# Altium PCB driver_V1.2.2.PcbDoc (part 2 of 2)
Units mm, origin at the board's own origin, x right, y up, seen from the top; angles counter-clockwise.
Board outline 57.1 x 171.3 mm, 2 copper layers (Top Layer, Bottom Layer), stack 1.58 mm thick; 272 components, 24 nets, 644 pads, 100 vias.
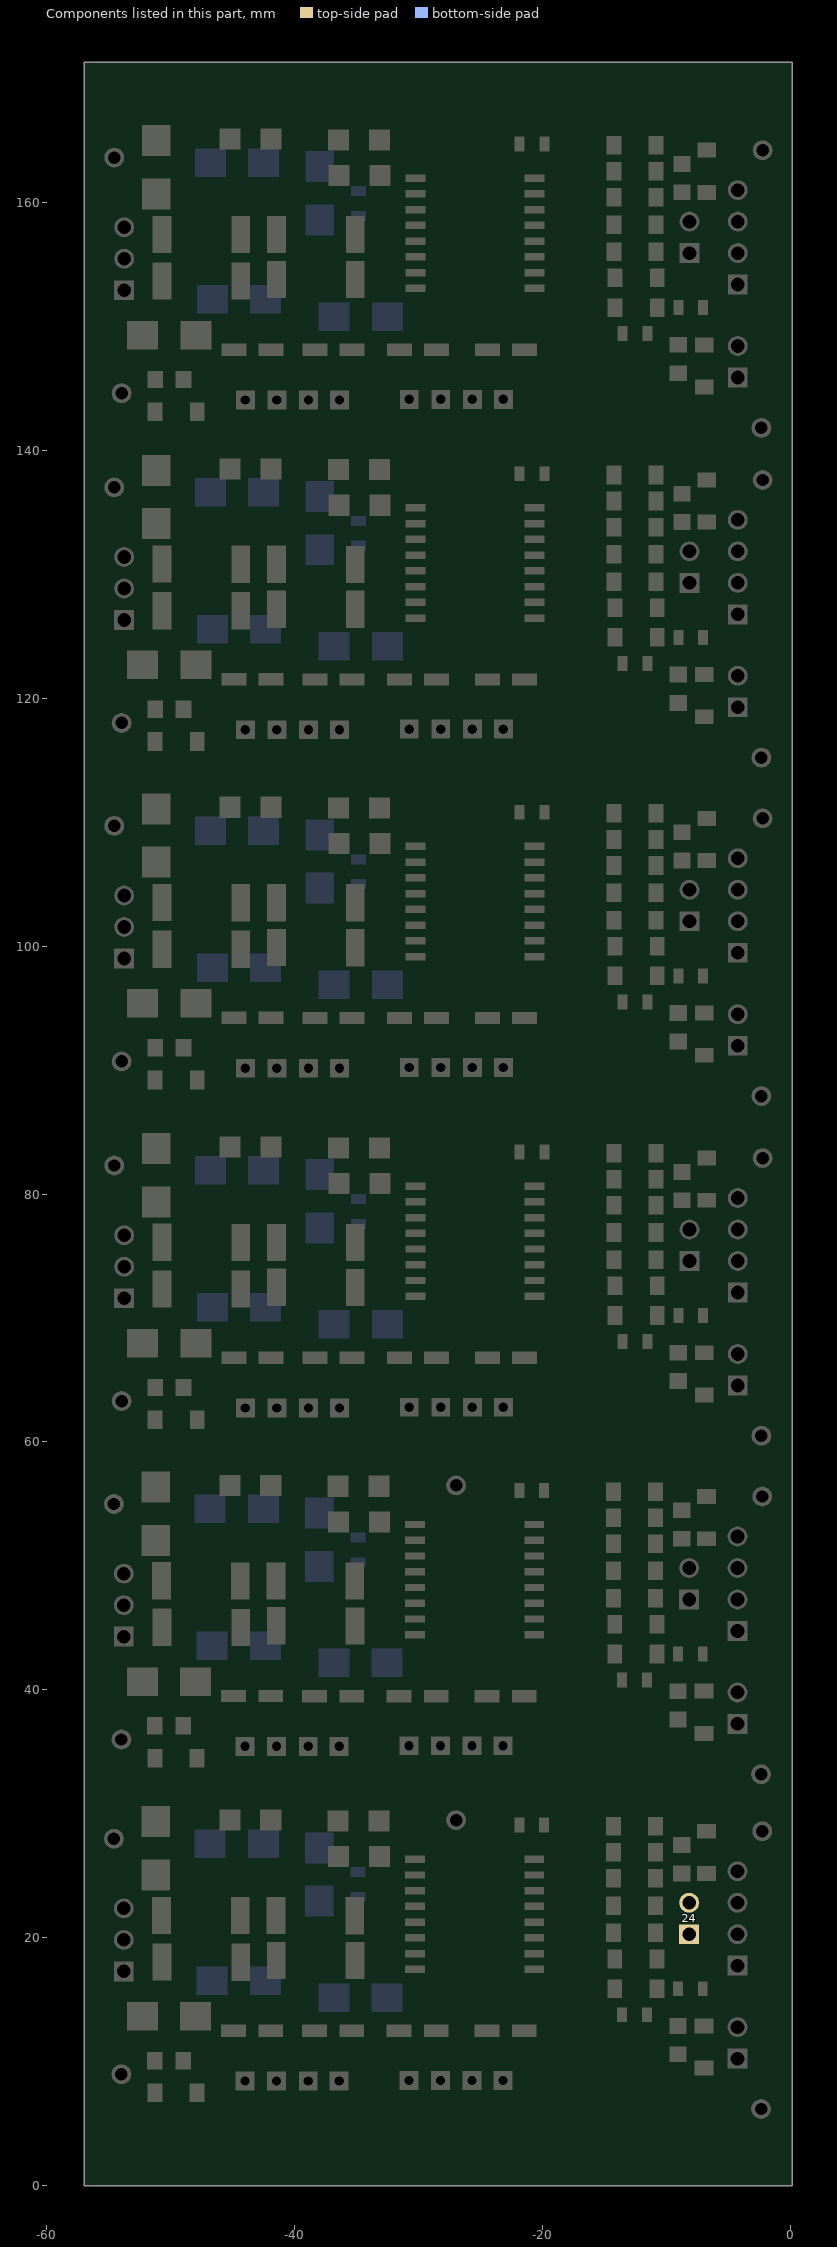
[diagram p2: the components of this part, seen from the top]

## Via types
v1: diameter 0.7, hole 0.4, Top Layer to Bottom Layer, 72 vias
v2: diameter 0.508, hole 0.254, Top Layer to Bottom Layer, 24 vias
v3: diameter 4, hole 3, Top Layer to Bottom Layer, 4 vias

## Nets (pads, with @x,y where several pads share a name; then routed paths per layer and width w, separated by ;. In a path a pad name is that pad's centre, name@x,y a point inside that pad or via, vN(x,y) a via of type N, cw(c..) or ccw(c..) an arc to the next point about the centre after c; other vN are vias at no path point) (continued)
pads on no net: 0R_1.1 0R_1.2 0R_2.1 0R_2.2 0R_2_1.1 0R_2_1.2 0R_2_2.1 0R_2_2.2 0R_2_3.1 0R_2_3.2 1ED020I12-F2_1.1 1ED020I12-F2_1.2 1ED020I12-F2_1.3 1ED020I12-F2_1.4 1ED020I12-F2_1.5 1ED020I12-F2_1.6 1ED020I12-F2_1.7 1ED020I12-F2_1.8 1ED020I12-F2_1.9 1ED020I12-F2_1.10 1ED020I12-F2_1.11 1ED020I12-F2_1.12 1ED020I12-F2_1.13 1ED020I12-F2_1.14 1ED020I12-F2_1.15 1ED020I12-F2_1.16 1ED020I12-F2_2.1 1ED020I12-F2_2.2 1ED020I12-F2_2.3 1ED020I12-F2_2.4 1ED020I12-F2_2.5 1ED020I12-F2_2.6 1ED020I12-F2_2.7 1ED020I12-F2_2.8 1ED020I12-F2_2.9 1ED020I12-F2_2.10 1ED020I12-F2_2.11 1ED020I12-F2_2.12 1ED020I12-F2_2.13 1ED020I12-F2_2.14 1ED020I12-F2_2.15 1ED020I12-F2_2.16 1ED020I12-F2_2_1.1 1ED020I12-F2_2_1.2 1ED020I12-F2_2_1.3 1ED020I12-F2_2_1.4 1ED020I12-F2_2_1.5 1ED020I12-F2_2_1.6 1ED020I12-F2_2_1.7 1ED020I12-F2_2_1.8 1ED020I12-F2_2_1.9 1ED020I12-F2_2_1.10 1ED020I12-F2_2_1.11 1ED020I12-F2_2_1.12 1ED020I12-F2_2_1.13 1ED020I12-F2_2_1.14 1ED020I12-F2_2_1.15 1ED020I12-F2_2_1.16 1ED020I12-F2_2_2.1 1ED020I12-F2_2_2.2 1ED020I12-F2_2_2.3 1ED020I12-F2_2_2.4 1ED020I12-F2_2_2.5 1ED020I12-F2_2_2.6 1ED020I12-F2_2_2.7 1ED020I12-F2_2_2.8 1ED020I12-F2_2_2.9 1ED020I12-F2_2_2.10 1ED020I12-F2_2_2.11 1ED020I12-F2_2_2.12 1ED020I12-F2_2_2.13 1ED020I12-F2_2_2.14 1ED020I12-F2_2_2.15 1ED020I12-F2_2_2.16 1ED020I12-F2_2_3.1 1ED020I12-F2_2_3.2 1ED020I12-F2_2_3.3 1ED020I12-F2_2_3.4 1ED020I12-F2_2_3.5 1ED020I12-F2_2_3.6 1ED020I12-F2_2_3.7 1ED020I12-F2_2_3.8 1ED020I12-F2_2_3.9 1ED020I12-F2_2_3.10 1ED020I12-F2_2_3.11 1ED020I12-F2_2_3.12 1ED020I12-F2_2_3.13 1ED020I12-F2_2_3.14 1ED020I12-F2_2_3.15 1ED020I12-F2_2_3.16 1K_1.1 1K_1.2 1K_2.1 1K_2.2 1K_2_1.1 1K_2_1.2 1K_2_2.1 1K_2_2.2 1K_2_3.1 1K_2_3.2 1uF_1.1 1uF_1.2 1uF_2.1 1uF_2.2 1uF_2_1.1 1uF_2_1.2 1uF_2_2.1 1uF_2_2.2 1uF_2_3.1 1uF_2_3.2 2.2uF_1.1 2.2uF_1.2 2.2uF_2.1 2.2uF_2.2 2.2uF_2_1.1 2.2uF_2_1.2 2.2uF_2_2.1 2.2uF_2_2.2 2.2uF_2_3.1 2.2uF_2_3.2 4.7uF_1.1 4.7uF_1.2 4.7uF_2.1 4.7uF_2.2 4.7uF_2_1.1 4.7uF_2_1.2 4.7uF_2_2.1 4.7uF_2_2.2 4.7uF_2_3.1 4.7uF_2_3.2 5VD_1.1 5VD_1.2 5VD_2.1 5VD_2.2 5VD_2_1.1 5VD_2_1.2 5VD_2_2.1 5VD_2_2.2 5VD_2_3.1 5VD_2_3.2 9.1K_1.1 9.1K_1.2 9.1K_2.1 9.1K_2.2 9.1K_2_1.1 9.1K_2_1.2 9.1K_2_2.1 9.1K_2_2.2 9.1K_2_3.1 9.1K_2_3.2 10K_1.1 10K_1.2 10K_2.1 10K_2.2 10K_2_1.1 10K_2_1.2 10K_2_2.1 10K_2_2.2 10K_2_3.1 10K_2_3.2 10R_1.1 10R_1.2 10R_2.1 10R_2.2 10R_2_1.1 10R_2_1.2 10R_2_2.1 10R_2_2.2 10R_2_3.1 10R_2_3.2 10uF_1.1 10uF_1.2 10uF_2.1 10uF_2.2 10uF_2_1.1 10uF_2_1.2 10uF_2_2.1 10uF_2_2.2 10uF_2_3.1 10uF_2_3.2 33pF_1.1 33pF_1.2 33pF_2.1 33pF_2.2 33pF_2_1.1 33pF_2_1.2 33pF_2_2.1 33pF_2_2.2 33pF_2_3.1 33pF_2_3.2 100pF_1.1 100PF_1.1 100PF_1.2 100pF_1.2 100pF_2.1 100PF_2.1 100PF_2.2 100pF_2.2 100PF_2_1.1 100pF_2_1.1 100pF_2_1.2 100PF_2_1.2 100pF_2_2.1 100PF_2_2.1 100pF_2_2.2 100PF_2_2.2 100PF_2_3.1 100pF_2_3.1 100PF_2_3.2 100pF_2_3.2 _1.1 _1.2 _1.3 _1.4 _2.1 _2.2 _2.3 _2.4 _2_1.1 _2_1.2 _2_1.3 _2_1.4 _2_2.1 _2_2.2 _2_2.3 _2_2.4 _2_3.1 _2_3.2 _2_3.3 _2_3.4 B0505S_1.1 B0505S_1.2 B0505S_1.3 B0505S_1.4 B0505S_2.1 B0505S_2.2 B0505S_2.3 B0505S_2.4 B0505S_2_1.1 B0505S_2_1.2 B0505S_2_1.3 B0505S_2_1.4 B0505S_2_2.1 B0505S_2_2.2 B0505S_2_2.3 B0505S_2_2.4 B0505S_2_3.1 B0505S_2_3.2 B0505S_2_3.3 B0505S_2_3.4 B0512S_1.1 B0512S_1.2 B0512S_1.3 B0512S_1.4 B0512S_2.1 B0512S_2.2 B0512S_2.3 B0512S_2.4 B0512S_2_1.1 B0512S_2_1.2 B0512S_2_1.3 B0512S_2_1.4 B0512S_2_2.1 B0512S_2_2.2 B0512S_2_2.3 B0512S_2_2.4 B0512S_2_3.1 B0512S_2_3.2 B0512S_2_3.3 B0512S_2_3.4 BAT165_1.1 BAT165_1.2 BAT165_2.1 BAT165_2.2 BAT165_2_1.1 BAT165_2_1.2 BAT165_2_2.1 BAT165_2_2.2 BAT165_2_3.1 BAT165_2_3.2 HS_GATE_1.1 HS_GATE_2.1 HS_GATE_2_1.1 HS_GATE_2_2.1 HS_GATE_2_3.1 HS_GND_1.1 HS_VDC_1.1 HS_VDC_2.1 HS_VDC_2_1.1 HS_VDC_2_2.1 HS_VDC_2_3.1 IN+_1.1 IN+_2.1 IN+_2_1.1 IN+_2_2.1 IN+_2_3.1 IN-_1.1 IN-_2.1 IN-_2_1.1 IN-_2_2.1 IN-_2_3.1 L_12V_1.1 L_12V_1.2 L_12V_2.1 L_12V_2.2 L_12V_2_1.1 L_12V_2_1.2 L_12V_2_2.1 L_12V_2_2.2 L_12V_2_3.1 L_12V_2_3.2 LED_5VP_1.1 LED_5VP_1.2 LED_5VP_2.1 LED_5VP_2.2 LED_5VP_2_1.1 LED_5VP_2_1.2 LED_5VP_2_2.1 LED_5VP_2_2.2 LED_5VP_2_3.1 LED_5VP_2_3.2 SMB1_1.1 SMB1_1.2 SMB1_2.1 SMB1_2.2 SMB1_2_1.1 SMB1_2_1.2 SMB1_2_2.1 SMB1_2_2.2 SMB1_2_3.1 SMB1_2_3.2
copper on no net: | length 3410.3
  Top Layer w0.5: -54,44.1 -54,42.37 -52.31,40.68 ; -53.975,71.4 -53.975,69.67 -52.285,67.98 ; -53.975,98.8 -53.975,97.07 -52.285,95.38 ; -53.975,126.1 -53.975,124.37 -52.285,122.68 ; -53.975,152.7 -53.975,150.97 -52.285,149.28 ; -53.8,49.38 -51.328,49.38 -50.8,48.852 ; -53.775,76.68 -51.303,76.68 -50.775,76.152 ; -53.775,104.08 -51.303,104.08 -50.775,103.552 ; -53.775,131.38 -51.303,131.38 -50.775,130.852 ; -53.775,157.98 -51.303,157.98 -50.775,157.452 ; -51.3,34.5 -51.3,37.1 ; -51.275,61.8 -51.275,64.4 ; -51.275,89.2 -51.275,91.8 ; -51.275,116.5 -51.275,119.1 ; -51.275,143.1 -51.275,145.7 ; -51.22,52.07 -50.756,51.606 -50.756,48.808 ; -51.195,79.37 -50.731,78.906 -50.731,76.108 ; -51.195,106.77 -50.731,106.306 -50.731,103.508 ; -51.195,134.07 -50.731,133.606 -50.731,130.808 ; -51.195,160.67 -50.731,160.206 -50.731,157.408 ; -50.8,56.1 -50.4,56.5 ; -50.775,83.4 -50.375,83.8 ; -50.775,110.8 -50.375,111.2 ; -50.775,138.1 -50.375,138.5 ; -50.775,164.7 -50.375,165.1 ; -50.73,45.05 -48.75,45.05 -48.01,44.31 -48.01,40.68 ; -50.705,72.35 -48.725,72.35 -47.985,71.61 -47.985,67.98 ; -50.705,99.75 -48.725,99.75 -47.985,99.01 -47.985,95.38 ; -50.705,127.05 -48.725,127.05 -47.985,126.31 -47.985,122.68 ; -50.705,153.65 -48.725,153.65 -47.985,152.91 -47.985,149.28 ; -48.57,37.19 -48.06,37.7 v1(-47.4,37.7) ; -48.545,64.49 -48.035,65 v1(-47.375,65) ; -48.545,91.89 -48.035,92.4 v1(-47.375,92.4) ; -48.545,119.19 -48.035,119.7 v1(-47.375,119.7) ; -48.545,145.79 -48.035,146.3 v1(-47.375,146.3) ; v1(-46.45,45.86) -46.45,45.21 -46.282,45.042 -44.379,45.042 ; v1(-46.425,73.16) -46.425,72.51 -46.257,72.342 -44.354,72.342 ; v1(-46.425,100.56) -46.425,99.91 -46.257,99.742 -44.354,99.742 ; v1(-46.425,127.86) -46.425,127.21 -46.257,127.042 -44.354,127.042 ; v1(-46.425,154.46) -46.425,153.81 -46.257,153.642 -44.354,153.642 ; -45.4,56.2 -45.9,56.7 -55.9,56.7 -56.15,56.45 -56.15,33.83 -55.02,32.7 -48.14,32.7 -47.91,32.93 -47.91,34.45 -45.02,34.45 -44.02,35.45 -44.95,36.38 -44.95,39.51 ; -45.375,83.5 -45.875,84 -55.875,84 -56.125,83.75 -56.125,61.13 -54.995,60 -48.115,60 -47.885,60.23 -47.885,61.75 -44.995,61.75 -43.995,62.75 -44.925,63.68 -44.925,66.81 ; -45.375,110.9 -45.875,111.4 -55.875,111.4 -56.125,111.15 -56.125,88.53 -54.995,87.4 -48.115,87.4 -47.885,87.63 -47.885,89.15 -44.995,89.15 -43.995,90.15 -44.925,91.08 -44.925,94.21 ; -45.375,138.2 -45.875,138.7 -55.875,138.7 -56.125,138.45 -56.125,115.83 -54.995,114.7 -48.115,114.7 -47.885,114.93 -47.885,116.45 -44.995,116.45 -43.995,117.45 -44.925,118.38 -44.925,121.51 ; -45.375,164.8 -45.875,165.3 -55.875,165.3 -56.125,165.05 -56.125,142.43 -54.995,141.3 -48.115,141.3 -47.885,141.53 -47.885,143.05 -44.995,143.05 -43.995,144.05 -44.925,144.98 -44.925,148.11 ; v2(-44.82,53.96) -44.82,49.725 -44.3,49.205 -44.405,49.1 -44.405,48.8 ; v2(-44.795,81.26) -44.795,77.025 -44.275,76.505 -44.38,76.4 -44.38,76.1 ; v2(-44.795,108.66) -44.795,104.425 -44.275,103.905 -44.38,103.8 -44.38,103.5 ; v2(-44.795,135.96) -44.795,131.725 -44.275,131.205 -44.38,131.1 -44.38,130.8 ; v2(-44.795,162.56) -44.795,158.325 -44.275,157.805 -44.38,157.7 -44.38,157.4 ; -42.1,56.2 -41.6,56.7 v1(-39.3,56.7) -36.9,56.7 -36.57,56.37 -36.51,56.43 -36.51,53.6 -36.47,53.56 ; -42.075,83.5 -41.575,84 v1(-39.275,84) -36.875,84 -36.545,83.67 -36.485,83.73 -36.485,80.9 -36.445,80.86 ; -42.075,110.9 -41.575,111.4 v1(-39.275,111.4) -36.875,111.4 -36.545,111.07 -36.485,111.13 -36.485,108.3 -36.445,108.26 ; -42.075,138.2 -41.575,138.7 v1(-39.275,138.7) -36.875,138.7 -36.545,138.37 -36.485,138.43 -36.485,135.6 -36.445,135.56 ; -42.075,164.8 -41.575,165.3 v1(-39.275,165.3) -36.875,165.3 -36.545,164.97 -36.485,165.03 -36.485,162.2 -36.445,162.16 ; v1(-41.9,51.5) -41.9,49.187 -41.511,48.798 -41.511,45.183 -41.506,45.178 -38.078,45.178 -37.722,44.822 -37.722,44.222 v1(-37.7,44.2) ; v1(-41.875,78.8) -41.875,76.487 -41.486,76.098 -41.486,72.483 -41.481,72.478 -38.053,72.478 -37.697,72.122 -37.697,71.522 v1(-37.675,71.5) ; v1(-41.875,106.2) -41.875,103.887 -41.486,103.498 -41.486,99.883 -41.481,99.878 -38.053,99.878 -37.697,99.522 -37.697,98.922 v1(-37.675,98.9) ; v1(-41.875,133.5) -41.875,131.187 -41.486,130.798 -41.486,127.183 -41.481,127.178 -38.053,127.178 -37.697,126.822 -37.697,126.222 v1(-37.675,126.2) ; v1(-41.875,160.1) -41.875,157.787 -41.486,157.398 -41.486,153.783 -41.481,153.778 -38.053,153.778 -37.697,153.422 -37.697,152.822 v1(-37.675,152.8) ; -41.48,35.45 -41.95,35.92 -41.95,39.51 -41.95,41.35 -41.48,41.82 -32.02,41.82 -31.5,41.3 -31.5,39.6 -31.6,39.5 -31.6,36.3 -30.8,35.5 ; -41.455,62.75 -41.925,63.22 -41.925,66.81 -41.925,68.65 -41.455,69.12 -31.995,69.12 -31.475,68.6 -31.475,66.9 -31.575,66.8 -31.575,63.6 -30.775,62.8 ; -41.455,90.15 -41.925,90.62 -41.925,94.21 -41.925,96.05 -41.455,96.52 -31.995,96.52 -31.475,96 -31.475,94.3 -31.575,94.2 -31.575,91 -30.775,90.2 ; -41.455,117.45 -41.925,117.92 -41.925,121.51 -41.925,123.35 -41.455,123.82 -31.995,123.82 -31.475,123.3 -31.475,121.6 -31.575,121.5 -31.575,118.3 -30.775,117.5 ; -41.455,144.05 -41.925,144.52 -41.925,148.11 -41.925,149.95 -41.455,150.42 -31.995,150.42 -31.475,149.9 -31.475,148.2 -31.575,148.1 -31.575,144.9 -30.775,144.1 ; v2(-40.5,53.7) -40.2,53.4 -40.2,52.2 -39.87,51.87 -38.24,51.87 -35.16,48.79 -33.365,46.995 -30.3,46.995 ; v2(-40.475,81) -40.175,80.7 -40.175,79.5 -39.845,79.17 -38.215,79.17 -35.135,76.09 -33.34,74.295 -30.275,74.295 ; v2(-40.475,108.4) -40.175,108.1 -40.175,106.9 -39.845,106.57 -38.215,106.57 -35.135,103.49 -33.34,101.695 -30.275,101.695 ; v2(-40.475,135.7) -40.175,135.4 -40.175,134.2 -39.845,133.87 -38.215,133.87 -35.135,130.79 -33.34,128.995 -30.275,128.995 ; v2(-40.475,162.3) -40.175,162 -40.175,160.8 -39.845,160.47 -38.215,160.47 -35.135,157.39 -33.34,155.595 -30.275,155.595 ; -38.41,39.57 -38.41,39.5 -38.41,35.97 -38.93,35.45 -38.93,33.93 -38.2,33.2 -26.3,33.2 -25.71,33.79 -25.71,35.5 -25.71,35.581 -25,36.291 -25,39 -24.5,39.5 ; -38.385,66.87 -38.385,66.8 -38.385,63.27 -38.905,62.75 -38.905,61.23 -38.175,60.5 -26.275,60.5 -25.685,61.09 -25.685,62.8 -25.685,62.881 -24.975,63.591 -24.975,66.3 -24.475,66.8 ; -38.385,94.27 -38.385,94.2 -38.385,90.67 -38.905,90.15 -38.905,88.63 -38.175,87.9 -26.275,87.9 -25.685,88.49 -25.685,90.2 -25.685,90.281 -24.975,90.991 -24.975,93.7 -24.475,94.2 ; -38.385,121.57 -38.385,121.5 -38.385,117.97 -38.905,117.45 -38.905,115.93 -38.175,115.2 -26.275,115.2 -25.685,115.79 -25.685,117.5 -25.685,117.581 -24.975,118.291 -24.975,121 -24.475,121.5 ; -38.385,148.17 -38.385,148.1 -38.385,144.57 -38.905,144.05 -38.905,142.53 -38.175,141.8 -26.275,141.8 -25.685,142.39 -25.685,144.1 -25.685,144.181 -24.975,144.891 -24.975,147.6 -24.475,148.1 ; -36.43,35.45 -35.41,36.47 -35.41,39.5 -35.41,39.57 ; -36.405,62.75 -35.385,63.77 -35.385,66.8 -35.385,66.87 ; -36.405,90.15 -35.385,91.17 -35.385,94.2 -35.385,94.27 ; -36.405,117.45 -35.385,118.47 -35.385,121.5 -35.385,121.57 ; -36.405,144.05 -35.385,145.07 -35.385,148.1 -35.385,148.17 ; -35.155,45.17 -34.6,45.725 -30.3,45.725 ; -35.13,72.47 -34.575,73.025 -30.275,73.025 ; -35.13,99.87 -34.575,100.425 -30.275,100.425 ; -35.13,127.17 -34.575,127.725 -30.275,127.725 ; -35.13,153.77 -34.575,154.325 -30.275,154.325 ; v2(-33.53,51.72) -33.29,51.96 -30.415,51.96 -30.3,52.075 ; v2(-33.505,79.02) -33.265,79.26 -30.39,79.26 -30.275,79.375 ; v2(-33.505,106.42) -33.265,106.66 -30.39,106.66 -30.275,106.775 ; v2(-33.505,133.72) -33.265,133.96 -30.39,133.96 -30.275,134.075 ; v2(-33.505,160.32) -33.265,160.56 -30.39,160.56 -30.275,160.675 ; -33.21,56.43 -33.21,53.6 -33.17,53.56 -32.955,53.345 -30.3,53.345 v1(-30.3,55.64) ; -33.185,83.73 -33.185,80.9 -33.145,80.86 -32.93,80.645 -30.275,80.645 v1(-30.275,82.94) ; -33.185,111.13 -33.185,108.3 -33.145,108.26 -32.93,108.045 -30.275,108.045 v1(-30.275,110.34) ; -33.185,138.43 -33.185,135.6 -33.145,135.56 -32.93,135.345 -30.275,135.345 v1(-30.275,137.64) ; -33.185,165.03 -33.185,162.2 -33.145,162.16 -32.93,161.945 -30.275,161.945 v1(-30.275,164.24) ; v1(-32.54,50.34) -32.54,50.66 -32.5,50.7 -30.405,50.7 -30.3,50.805 -30.3,49.535 ; v1(-32.515,77.64) -32.515,77.96 -32.475,78 -30.38,78 -30.275,78.105 -30.275,76.835 ; v1(-32.515,105.04) -32.515,105.36 -32.475,105.4 -30.38,105.4 -30.275,105.505 -30.275,104.235 ; v1(-32.515,132.34) -32.515,132.66 -32.475,132.7 -30.38,132.7 -30.275,132.805 -30.275,131.535 ; v1(-32.515,158.94) -32.515,159.26 -32.475,159.3 -30.38,159.3 -30.275,159.405 -30.275,158.135 ; v1(-32.385,48.265) -30.3,48.265 ; v1(-32.36,75.565) -30.275,75.565 ; v1(-32.36,102.965) -30.275,102.965 ; v1(-32.36,130.265) -30.275,130.265 ; v1(-32.36,156.865) -30.275,156.865 ; -30.3,44.455 -30.3,44.1 -28.6,42.4 -28.6,39.5 -28,38.9 -28,35.76 -28.26,35.5 ; -30.275,71.755 -30.275,71.4 -28.575,69.7 -28.575,66.8 -27.975,66.2 -27.975,63.06 -28.235,62.8 ; -30.275,99.155 -30.275,98.8 -28.575,97.1 -28.575,94.2 -27.975,93.6 -27.975,90.46 -28.235,90.2 ; -30.275,126.455 -30.275,126.1 -28.575,124.4 -28.575,121.5 -27.975,120.9 -27.975,117.76 -28.235,117.5 ; -30.275,153.055 -30.275,152.7 -28.575,151 -28.575,148.1 -27.975,147.5 -27.975,144.36 -28.235,144.1 ; v1(-24,56.4) -23.697,56.097 -21.9,56.097 -21.9,53.9 -21.345,53.345 -20.7,53.345 ; v1(-23.975,83.7) -23.672,83.397 -21.875,83.397 -21.875,81.2 -21.32,80.645 -20.675,80.645 ; v1(-23.975,111.1) -23.672,110.797 -21.875,110.797 -21.875,108.6 -21.32,108.045 -20.675,108.045 ; v1(-23.975,138.4) -23.672,138.097 -21.875,138.097 -21.875,135.9 -21.32,135.345 -20.675,135.345 ; v1(-23.975,165) -23.672,164.697 -21.875,164.697 -21.875,162.5 -21.32,161.945 -20.675,161.945 ; -23.21,35.5 -21.5,37.21 ; -23.185,62.8 -21.475,64.51 ; -23.185,90.2 -21.475,91.91 ; -23.185,117.5 -21.475,119.21 ; -23.185,144.1 -21.475,145.81 ; -21.5,39.5 -21.5,37.21 ; -21.475,66.8 -21.475,64.51 ; -21.475,94.2 -21.475,91.91 ; -21.475,121.5 -21.475,119.21 ; -21.475,148.1 -21.475,145.81 ; -20.7,44.455 -15.245,39 -11.9,39 -11.6,39.3 -11.6,40.803 -10.8,41.603 -10.8,42.9 -9.103,42.9 -9.1,42.897 ; -20.7,45.725 -14.625,45.725 -14.2,45.3 -14.2,42.9 -14.2,41.4 -13.6,40.8 ; -20.7,46.995 v1(-17.3,46.995) -14.705,46.995 -14.3,47.4 ; -20.7,48.265 -16.535,48.265 -15.8,49 -15.8,51.3 -15.3,51.8 -14.3,51.8 ; -20.7,49.535 -17.465,49.535 -16.8,50.2 -16.8,53.4 -16.3,53.9 -14.3,53.9 ; -20.7,50.805 -18.695,50.805 -17.9,51.6 -17.9,55.7 -17.6,56 -14.9,56 ; -20.7,52.075 -19.325,52.075 -19.125,52.275 -19.125,54.7 -19.725,55.3 -19.725,55.925 -19.9,56.1 -19.9,57 -19.4,57.5 -10.7,57.5 ; -20.675,71.755 -15.22,66.3 -11.875,66.3 -11.575,66.6 -11.575,68.103 -10.775,68.903 -10.775,70.2 -9.078,70.2 -9.075,70.197 ; -20.675,73.025 -14.6,73.025 -14.175,72.6 -14.175,70.2 -14.175,68.7 -13.575,68.1 ; -20.675,74.295 v1(-17.275,74.295) -14.68,74.295 -14.275,74.7 ; -20.675,75.565 -16.51,75.565 -15.775,76.3 -15.775,78.6 -15.275,79.1 -14.275,79.1 ; -20.675,76.835 -17.44,76.835 -16.775,77.5 -16.775,80.7 -16.275,81.2 -14.275,81.2 ; -20.675,78.105 -18.67,78.105 -17.875,78.9 -17.875,83 -17.575,83.3 -14.875,83.3 ; -20.675,79.375 -19.3,79.375 -19.1,79.575 -19.1,82 -19.7,82.6 -19.7,83.225 -19.875,83.4 -19.875,84.3 -19.375,84.8 -10.675,84.8 ; -20.675,99.155 -15.22,93.7 -11.875,93.7 -11.575,94 -11.575,95.503 -10.775,96.303 -10.775,97.6 -9.078,97.6 -9.075,97.597 ; -20.675,100.425 -14.6,100.425 -14.175,100 -14.175,97.6 -14.175,96.1 -13.575,95.5 ; -20.675,101.695 v1(-17.275,101.695) -14.68,101.695 -14.275,102.1 ; -20.675,102.965 -16.51,102.965 -15.775,103.7 -15.775,106 -15.275,106.5 -14.275,106.5 ; -20.675,104.235 -17.44,104.235 -16.775,104.9 -16.775,108.1 -16.275,108.6 -14.275,108.6 ; -20.675,105.505 -18.67,105.505 -17.875,106.3 -17.875,110.4 -17.575,110.7 -14.875,110.7 ; -20.675,106.775 -19.3,106.775 -19.1,106.975 -19.1,109.4 -19.7,110 -19.7,110.625 -19.875,110.8 -19.875,111.7 -19.375,112.2 -10.675,112.2 ; -20.675,126.455 -15.22,121 -11.875,121 -11.575,121.3 -11.575,122.803 -10.775,123.603 -10.775,124.9 -9.078,124.9 -9.075,124.897 ; -20.675,127.725 -14.6,127.725 -14.175,127.3 -14.175,124.9 -14.175,123.4 -13.575,122.8 ; -20.675,128.995 v1(-17.275,128.995) -14.68,128.995 -14.275,129.4 ; -20.675,130.265 -16.51,130.265 -15.775,131 -15.775,133.3 -15.275,133.8 -14.275,133.8 ; -20.675,131.535 -17.44,131.535 -16.775,132.2 -16.775,135.4 -16.275,135.9 -14.275,135.9 ; -20.675,132.805 -18.67,132.805 -17.875,133.6 -17.875,137.7 -17.575,138 -14.875,138 ; -20.675,134.075 -19.3,134.075 -19.1,134.275 -19.1,136.7 -19.7,137.3 -19.7,137.925 -19.875,138.1 -19.875,139 -19.375,139.5 -10.675,139.5 ; -20.675,153.055 -15.22,147.6 -11.875,147.6 -11.575,147.9 -11.575,149.403 -10.775,150.203 -10.775,151.5 -9.078,151.5 -9.075,151.497 ; -20.675,154.325 -14.6,154.325 -14.175,153.9 -14.175,151.5 -14.175,150 -13.575,149.4 ; -20.675,155.595 v1(-17.275,155.595) -14.68,155.595 -14.275,156 ; -20.675,156.865 -16.51,156.865 -15.775,157.6 -15.775,159.9 -15.275,160.4 -14.275,160.4 ; -20.675,158.135 -17.44,158.135 -16.775,158.8 -16.775,162 -16.275,162.5 -14.275,162.5 ; -20.675,159.405 -18.67,159.405 -17.875,160.2 -17.875,164.3 -17.575,164.6 -14.875,164.6 ; -20.675,160.675 -19.3,160.675 -19.1,160.875 -19.1,163.3 -19.7,163.9 -19.7,164.525 -19.875,164.7 -19.875,165.6 -19.375,166.1 -10.675,166.1 ; -14.6,47.7 -14.4,47.9 -14.4,49.6 ; -14.575,75 -14.375,75.2 -14.375,76.9 ; -14.575,102.4 -14.375,102.6 -14.375,104.3 ; -14.575,129.7 -14.375,129.9 -14.375,131.6 ; -14.575,156.3 -14.375,156.5 -14.375,158.2 ; -10.9,47.4 -4.4,47.4 -4.3,47.3 ; -10.9,49.6 -10.9,51.8 -10.9,53.9 -10.9,56 -10.9,57.3 -10.7,57.5 ; -10.875,74.7 -4.375,74.7 -4.275,74.6 ; -10.875,76.9 -10.875,79.1 -10.875,81.2 -10.875,83.3 -10.875,84.6 -10.675,84.8 ; -10.875,102.1 -4.375,102.1 -4.275,102 ; -10.875,104.3 -10.875,106.5 -10.875,108.6 -10.875,110.7 -10.875,112 -10.675,112.2 ; -10.875,129.4 -4.375,129.4 -4.275,129.3 ; -10.875,131.6 -10.875,133.8 -10.875,135.9 -10.875,138 -10.875,139.3 -10.675,139.5 ; -10.875,156 -4.375,156 -4.275,155.9 ; -10.875,158.2 -10.875,160.4 -10.875,162.5 -10.875,164.6 -10.875,165.9 -10.675,166.1 ; -10.8,45.3 -4.84,45.3 -4.3,44.76 ; -10.775,72.6 -4.815,72.6 -4.275,72.06 ; -10.775,100 -4.815,100 -4.275,99.46 ; -10.775,127.3 -4.815,127.3 -4.275,126.76 ; -10.775,153.9 -4.815,153.9 -4.275,153.36 ; -9.1,37.614 -9.1,36.2 ; -9.1,39.9 -7,39.9 ; -9.075,64.914 -9.075,63.5 ; -9.075,67.2 -6.975,67.2 ; -9.075,92.314 -9.075,90.9 ; -9.075,94.6 -6.975,94.6 ; -9.075,119.614 -9.075,118.2 ; -9.075,121.9 -6.975,121.9 ; -9.075,146.214 -9.075,144.8 ; -9.075,148.5 -6.975,148.5 ; -8.8,52.2 -8.8,50.44 -8.2,49.84 -4.3,49.84 ; -8.8,54.486 -8.8,55.4 -8.6,55.6 -6.8,55.6 ; -8.775,79.5 -8.775,77.74 -8.175,77.14 -4.275,77.14 ; -8.775,81.786 -8.775,82.7 -8.575,82.9 -6.775,82.9 ; -8.775,106.9 -8.775,105.14 -8.175,104.54 -4.275,104.54 ; -8.775,109.186 -8.775,110.1 -8.575,110.3 -6.775,110.3 ; -8.775,134.2 -8.775,132.44 -8.175,131.84 -4.275,131.84 ; -8.775,136.486 -8.775,137.4 -8.575,137.6 -6.775,137.6 ; -8.775,160.8 -8.775,159.04 -8.175,158.44 -4.275,158.44 ; -8.775,163.086 -8.775,164 -8.575,164.2 -6.775,164.2 ; -7.1,42.9 -6.7,42.5 v2(-5.4,42.5) ; -7.075,70.2 -6.675,69.8 v2(-5.375,69.8) ; -7.075,97.6 -6.675,97.2 v2(-5.375,97.2) ; -7.075,124.9 -6.675,124.5 v2(-5.375,124.5) ; -7.075,151.5 -6.675,151.1 v2(-5.375,151.1) ; -7,36.5 -6.6,36.9 -4.66,36.9 -4.3,37.26 ; -6.975,63.8 -6.575,64.2 -4.635,64.2 -4.275,64.56 ; -6.975,91.2 -6.575,91.6 -4.635,91.6 -4.275,91.96 ; -6.975,118.5 -6.575,118.9 -4.635,118.9 -4.275,119.26 ; -6.975,145.1 -6.575,145.5 -4.635,145.5 -4.275,145.86 ; -6.814,55.886 -6.8,55.9 ; -6.8,52.5 -4.42,52.5 -4.3,52.38 -4.3,56.8 -5,57.5 -10.7,57.5 ; -6.789,83.186 -6.775,83.2 ; -6.789,110.586 -6.775,110.6 ; -6.789,137.886 -6.775,137.9 ; -6.789,164.486 -6.775,164.5 ; -6.775,79.8 -4.395,79.8 -4.275,79.68 -4.275,84.1 -4.975,84.8 -10.675,84.8 ; -6.775,107.2 -4.395,107.2 -4.275,107.08 -4.275,111.5 -4.975,112.2 -10.675,112.2 ; -6.775,134.5 -4.395,134.5 -4.275,134.38 -4.275,138.8 -4.975,139.5 -10.675,139.5 ; -6.775,161.1 -4.395,161.1 -4.275,160.98 -4.275,165.4 -4.975,166.1 -10.675,166.1 ; -4.3,39.8 -2.6,39.8 -1.9,39.1 -1.9,35.3 -2.3,34.9 -8.9,34.9 -9.1,35.1 -9.1,36.2 ; -4.275,67.1 -2.575,67.1 -1.875,66.4 -1.875,62.6 -2.275,62.2 -8.875,62.2 -9.075,62.4 -9.075,63.5 ; -4.275,94.5 -2.575,94.5 -1.875,93.8 -1.875,90 -2.275,89.6 -8.875,89.6 -9.075,89.8 -9.075,90.9 ; -4.275,121.8 -2.575,121.8 -1.875,121.1 -1.875,117.3 -2.275,116.9 -8.875,116.9 -9.075,117.1 -9.075,118.2 ; -4.275,148.4 -2.575,148.4 -1.875,147.7 -1.875,143.9 -2.275,143.5 -8.875,143.5 -9.075,143.7 -9.075,144.8 ; -50.8,48.852 -50.756,48.808 ; -50.8,48.852 -50.8,48.764 -50.756,48.808 ; -50.775,76.152 -50.731,76.108 ; -50.775,76.152 -50.775,76.064 -50.731,76.108 ; -50.775,103.552 -50.775,103.464 -50.731,103.508 ; -50.775,103.552 -50.731,103.508 ; -50.775,130.852 -50.775,130.764 -50.731,130.808 ; -50.775,130.852 -50.731,130.808 ; -50.775,157.452 -50.775,157.364 -50.731,157.408 ; -50.775,157.452 -50.731,157.408 ; -21.5,37.21 -21.5,37 -20.7,36.2 -9.1,36.2 ; -21.475,64.51 -21.475,64.3 -20.675,63.5 -9.075,63.5 ; -21.475,91.91 -21.475,91.7 -20.675,90.9 -9.075,90.9 ; -21.475,119.21 -21.475,119 -20.675,118.2 -9.075,118.2 ; -21.475,145.81 -21.475,145.6 -20.675,144.8 -9.075,144.8
  Bottom Layer w0.5: -54.6,55 -53.8,54.2 v1(-53.8,52.2) -53.8,49.38 ; -54.575,82.3 -53.775,81.5 v1(-53.775,79.5) -53.775,76.68 ; -54.575,109.7 -53.775,108.9 v1(-53.775,106.9) -53.775,104.08 ; -54.575,137 -53.775,136.2 v1(-53.775,134.2) -53.775,131.38 ; -54.575,163.6 -53.775,162.8 v1(-53.775,160.8) -53.775,157.98 ; -54,36 -54,44.1 -53.8,44.3 ; -54,49.38 -53.8,49.38 ; -53.975,63.3 -53.975,71.4 -53.775,71.6 ; -53.975,76.68 -53.775,76.68 ; -53.975,90.7 -53.975,98.8 -53.775,99 ; -53.975,104.08 -53.775,104.08 ; -53.975,118 -53.975,126.1 -53.775,126.3 ; -53.975,131.38 -53.775,131.38 ; -53.975,144.6 -53.975,152.7 -53.775,152.9 ; -53.975,157.98 -53.775,157.98 ; -48.61,49.29 -48.7,49.38 ; -48.585,76.59 -48.675,76.68 ; -48.585,103.99 -48.675,104.08 ; -48.585,131.29 -48.675,131.38 ; -48.585,157.89 -48.675,157.98 ; v1(-47.4,37.7) -48.41,37.7 -48.61,37.5 -48.61,35.6 ; v1(-47.375,65) -48.385,65 -48.585,64.8 -48.585,62.9 ; v1(-47.375,92.4) -48.385,92.4 -48.585,92.2 -48.585,90.3 ; v1(-47.375,119.7) -48.385,119.7 -48.585,119.5 -48.585,117.6 ; v1(-47.375,146.3) -48.385,146.3 -48.585,146.1 -48.585,144.2 ; -46.82,54.6 -45.46,54.6 v2(-44.82,53.96) ; -46.795,81.9 -45.435,81.9 v2(-44.795,81.26) ; -46.795,109.3 -45.435,109.3 v2(-44.795,108.66) ; -46.795,136.6 -45.435,136.6 v2(-44.795,135.96) ; -46.795,163.2 -45.435,163.2 v2(-44.795,162.56) ; -46.5,43.2 -46.5,45.81 v1(-46.45,45.86) -43.54,45.86 -40.3,49.1 -40.3,52.13 -38.82,53.61 -38.82,54.68 -36.33,54.68 -35.7,54.05 -35.7,52.7 -35.33,52.33 -34.14,52.33 v2(-33.53,51.72) ; -46.475,70.5 -46.475,73.11 v1(-46.425,73.16) -43.515,73.16 -40.275,76.4 -40.275,79.43 -38.795,80.91 -38.795,81.98 -36.305,81.98 -35.675,81.35 -35.675,80 -35.305,79.63 -34.115,79.63 v2(-33.505,79.02) ; -46.475,97.9 -46.475,100.51 v1(-46.425,100.56) -43.515,100.56 -40.275,103.8 -40.275,106.83 -38.795,108.31 -38.795,109.38 -36.305,109.38 -35.675,108.75 -35.675,107.4 -35.305,107.03 -34.115,107.03 v2(-33.505,106.42) ; -46.475,125.2 -46.475,127.81 v1(-46.425,127.86) -43.515,127.86 -40.275,131.1 -40.275,134.13 -38.795,135.61 -38.795,136.68 -36.305,136.68 -35.675,136.05 -35.675,134.7 -35.305,134.33 -34.115,134.33 v2(-33.505,133.72) ; -46.475,151.8 -46.475,154.41 v1(-46.425,154.46) -43.515,154.46 -40.275,157.7 -40.275,160.73 -38.795,162.21 -38.795,163.28 -36.305,163.28 -35.675,162.65 -35.675,161.3 -35.305,160.93 -34.115,160.93 v2(-33.505,160.32) ; -44.02,35.45 -44.02,41.52 -43,42.54 -43,43.6 -42.6,44 -40.62,44 -40.57,44.05 -40.57,44.08 -40.125,44.525 -40.125,46.4 -39.175,47.35 -33.3,47.35 v1(-32.385,48.265) ; -43.995,62.75 -43.995,68.82 -42.975,69.84 -42.975,70.9 -42.575,71.3 -40.595,71.3 -40.545,71.35 -40.545,71.38 -40.1,71.825 -40.1,73.7 -39.15,74.65 -33.275,74.65 v1(-32.36,75.565) ; -43.995,90.15 -43.995,96.22 -42.975,97.24 -42.975,98.3 -42.575,98.7 -40.595,98.7 -40.545,98.75 -40.545,98.78 -40.1,99.225 -40.1,101.1 -39.15,102.05 -33.275,102.05 v1(-32.36,102.965) ; -43.995,117.45 -43.995,123.52 -42.975,124.54 -42.975,125.6 -42.575,126 -40.595,126 -40.545,126.05 -40.545,126.08 -40.1,126.525 -40.1,128.4 -39.15,129.35 -33.275,129.35 v1(-32.36,130.265) ; -43.995,144.05 -43.995,150.12 -42.975,151.14 -42.975,152.2 -42.575,152.6 -40.595,152.6 -40.545,152.65 -40.545,152.68 -40.1,153.125 -40.1,155 -39.15,155.95 -33.275,155.95 v1(-32.36,156.865) ; -42.1,54.8 -41.6,54.8 v2(-40.5,53.7) ; -42.075,82.1 -41.575,82.1 v2(-40.475,81) ; -42.075,109.5 -41.575,109.5 v2(-40.475,108.4) ; -42.075,136.8 -41.575,136.8 v2(-40.475,135.7) ; -42.075,163.4 -41.575,163.4 v2(-40.475,162.3) ; v1(-41.9,51.5) -42.7,50.7 -42.7,50.1 -43.42,49.38 -48.7,49.38 ; v1(-41.875,78.8) -42.675,78 -42.675,77.4 -43.395,76.68 -48.675,76.68 ; v1(-41.875,106.2) -42.675,105.4 -42.675,104.8 -43.395,104.08 -48.675,104.08 ; v1(-41.875,133.5) -42.675,132.7 -42.675,132.1 -43.395,131.38 -48.675,131.38 ; v1(-41.875,160.1) -42.675,159.3 -42.675,158.7 -43.395,157.98 -48.675,157.98 ; -41.48,35.45 -41.48,33.12 -41.76,32.84 -48.04,32.84 -48.61,33.41 -48.61,35.6 ; -41.455,62.75 -41.455,60.42 -41.735,60.14 -48.015,60.14 -48.585,60.71 -48.585,62.9 ; -41.455,90.15 -41.455,87.82 -41.735,87.54 -48.015,87.54 -48.585,88.11 -48.585,90.3 ; -41.455,117.45 -41.455,115.12 -41.735,114.84 -48.015,114.84 -48.585,115.41 -48.585,117.6 ; -41.455,144.05 -41.455,141.72 -41.735,141.44 -48.015,141.44 -48.585,142.01 -48.585,144.2 ; v1(-37.7,44.2) -36.6,43.1 -36.6,41.3 ; v1(-37.675,71.5) -36.575,70.4 -36.575,68.6 ; v1(-37.675,98.9) -36.575,97.8 -36.575,96 ; v1(-37.675,126.2) -36.575,125.1 -36.575,123.3 ; v1(-37.675,152.8) -36.575,151.7 -36.575,149.9 ; -37.64,50.38 -35.384,50.38 -35.333,50.33 -32.55,50.33 v1(-32.54,50.34) -32.2,50.68 -32.2,55.5 -32.8,56.1 ; -37.615,77.68 -35.359,77.68 -35.308,77.63 -32.525,77.63 v1(-32.515,77.64) -32.175,77.98 -32.175,82.8 -32.775,83.4 ; -37.615,105.08 -35.359,105.08 -35.308,105.03 -32.525,105.03 v1(-32.515,105.04) -32.175,105.38 -32.175,110.2 -32.775,110.8 ; -37.615,132.38 -35.359,132.38 -35.308,132.33 -32.525,132.33 v1(-32.515,132.34) -32.175,132.68 -32.175,137.5 -32.775,138.1 ; -37.615,158.98 -35.359,158.98 -35.308,158.93 -32.525,158.93 v1(-32.515,158.94) -32.175,159.28 -32.175,164.1 -32.775,164.7 ; -36.43,35.45 -36.43,33.12 -36.24,32.93 -24,32.93 -23.21,33.72 -23.21,35.5 ; -36.405,62.75 -36.405,60.42 -36.215,60.23 -23.975,60.23 -23.185,61.02 -23.185,62.8 ; -36.405,90.15 -36.405,87.82 -36.215,87.63 -23.975,87.63 -23.185,88.42 -23.185,90.2 ; -36.405,117.45 -36.405,115.12 -36.215,114.93 -23.975,114.93 -23.185,115.72 -23.185,117.5 ; -36.405,144.05 -36.405,141.72 -36.215,141.53 -23.975,141.53 -23.185,142.32 -23.185,144.1 ; -33.2,41.3 -31.47,41.3 -30.3,42.47 ; -33.175,68.6 -31.445,68.6 -30.275,69.77 ; -33.175,96 -31.445,96 -30.275,97.17 ; -33.175,123.3 -31.445,123.3 -30.275,124.47 ; -33.175,149.9 -31.445,149.9 -30.275,151.07 ; v1(-30.3,55.64) -30.3,42.47 ; v1(-30.275,82.94) -30.275,69.77 ; v1(-30.275,110.34) -30.275,97.17 ; v1(-30.275,137.64) -30.275,124.47 ; v1(-30.275,164.24) -30.275,151.07 ; -28.26,35.5 -28.26,40.43 -30.3,42.47 ; -28.235,62.8 -28.235,67.73 -30.275,69.77 ; -28.235,90.2 -28.235,95.13 -30.275,97.17 ; -28.235,117.5 -28.235,122.43 -30.275,124.47 ; -28.235,144.1 -28.235,149.03 -30.275,151.07 ; -27,56.5 -27.8,57.3 -32.5,57.3 -32.8,57 -32.8,56.1 ; -26.975,83.8 -27.775,84.6 -32.475,84.6 -32.775,84.3 -32.775,83.4 ; -26.975,111.2 -27.775,112 -32.475,112 -32.775,111.7 -32.775,110.8 ; -26.975,138.5 -27.775,139.3 -32.475,139.3 -32.775,139 -32.775,138.1 ; -26.975,165.1 -27.775,165.9 -32.475,165.9 -32.775,165.6 -32.775,164.7 ; -25.71,35.5 -25.71,37.29 -25.1,37.9 -4.94,37.9 -4.3,37.26 ; -25.685,62.8 -25.685,64.59 -25.075,65.2 -4.915,65.2 -4.275,64.56 ; -25.685,90.2 -25.685,91.99 -25.075,92.6 -4.915,92.6 -4.275,91.96 ; -25.685,117.5 -25.685,119.29 -25.075,119.9 -4.915,119.9 -4.275,119.26 ; -25.685,144.1 -25.685,145.89 -25.075,146.5 -4.915,146.5 -4.275,145.86 ; v1(-24,56.4) -23.83,56.57 -19.57,56.57 -18.37,55.37 -18.37,49.11 ; v1(-23.975,83.7) -23.805,83.87 -19.545,83.87 -18.345,82.67 -18.345,76.41 ; v1(-23.975,111.1) -23.805,111.27 -19.545,111.27 -18.345,110.07 -18.345,103.81 ; v1(-23.975,138.4) -23.805,138.57 -19.545,138.57 -18.345,137.37 -18.345,131.11 ; v1(-23.975,165) -23.805,165.17 -19.545,165.17 -18.345,163.97 -18.345,157.71 ; v1(-17.3,46.995) -17.3,43.9 -15.9,42.5 v2(-5.4,42.5) ; v1(-17.275,74.295) -17.275,71.2 -15.875,69.8 v2(-5.375,69.8) ; v1(-17.275,101.695) -17.275,98.6 -15.875,97.2 v2(-5.375,97.2) ; v1(-17.275,128.995) -17.275,125.9 -15.875,124.5 v2(-5.375,124.5) ; v1(-17.275,155.595) -17.275,152.5 -15.875,151.1 v2(-5.375,151.1) ; v1(-17,40.7) -18,40.7 -19.1,41.8 -19.1,48.38 -18.37,49.11 ; v1(-16.975,68) -17.975,68 -19.075,69.1 -19.075,75.68 -18.345,76.41 ; v1(-16.975,95.4) -17.975,95.4 -19.075,96.5 -19.075,103.08 -18.345,103.81 ; v1(-16.975,122.7) -17.975,122.7 -19.075,123.8 -19.075,130.38 -18.345,131.11 ; v1(-16.975,149.3) -17.975,149.3 -19.075,150.4 -19.075,156.98 -18.345,157.71 ; -8.2,49.84 -17.64,49.84 -18.37,49.11 ; -8.175,77.14 -17.615,77.14 -18.345,76.41 ; -8.175,104.54 -17.615,104.54 -18.345,103.81 ; -8.175,131.84 -17.615,131.84 -18.345,131.11 ; -8.175,158.44 -17.615,158.44 -18.345,157.71 ; -4.3,44.76 -2.26,44.76 -1.8,44.3 -1.8,33 -2.1,32.7 ; -4.3,47.3 -4.2,47.4 -2.6,47.4 -2.3,47.7 -2.3,55.6 ; -4.275,72.06 -2.235,72.06 -1.775,71.6 -1.775,60.3 -2.075,60 ; -4.275,74.6 -4.175,74.7 -2.575,74.7 -2.275,75 -2.275,82.9 ; -4.275,99.46 -2.235,99.46 -1.775,99 -1.775,87.7 -2.075,87.4 ; -4.275,102 -4.175,102.1 -2.575,102.1 -2.275,102.4 -2.275,110.3 ; -4.275,126.76 -2.235,126.76 -1.775,126.3 -1.775,115 -2.075,114.7 ; -4.275,129.3 -4.175,129.4 -2.575,129.4 -2.275,129.7 -2.275,137.6 ; -4.275,153.36 -2.235,153.36 -1.775,152.9 -1.775,141.6 -2.075,141.3 ; -4.275,155.9 -4.175,156 -2.575,156 -2.275,156.3 -2.275,164.2 ; -53.8,49.38 -48.7,49.38 ; -53.775,76.68 -48.675,76.68 ; -53.775,104.08 -48.675,104.08 ; -53.775,131.38 -48.675,131.38 ; -53.775,157.98 -48.675,157.98 ; -48.61,35.6 -49.6,35.6 -50.51,36.51 -50.51,46.51 -50.84,46.84 -53.8,46.84 -55.34,46.84 -56.15,47.65 -56.15,56.55 -56.02,56.68 -33.38,56.68 -32.8,56.1 ; -48.585,62.9 -49.575,62.9 -50.485,63.81 -50.485,73.81 -50.815,74.14 -53.775,74.14 -55.315,74.14 -56.125,74.95 -56.125,83.85 -55.995,83.98 -33.355,83.98 -32.775,83.4 ; -48.585,90.3 -49.575,90.3 -50.485,91.21 -50.485,101.21 -50.815,101.54 -53.775,101.54 -55.315,101.54 -56.125,102.35 -56.125,111.25 -55.995,111.38 -33.355,111.38 -32.775,110.8 ; -48.585,117.6 -49.575,117.6 -50.485,118.51 -50.485,128.51 -50.815,128.84 -53.775,128.84 -55.315,128.84 -56.125,129.65 -56.125,138.55 -55.995,138.68 -33.355,138.68 -32.775,138.1 ; -48.585,144.2 -49.575,144.2 -50.485,145.11 -50.485,155.11 -50.815,155.44 -53.775,155.44 -55.315,155.44 -56.125,156.25 -56.125,165.15 -55.995,165.28 -33.355,165.28 -32.775,164.7
  other v3: -53,2.5 -5,2.5 -53,168.5 -5,168.5

## Keep-outs
Keep-Out Layer:
  lines w0.05: -57,0 0.1,0 0.1,4.5 0.1,171.3 -57,171.3 -57,0

## Other copper
Top Layer:
  drawing of 228 lines, arcs and shapes, not listed
Bottom Layer:
  drawing of 96 lines, arcs and shapes, not listed

## Silkscreen, mask and mechanical layers (free items; w line width, h text height)
Top Overlay:
  lines w0.05: -57,31.5 0.1,31.5 ; -56.975,58.5 0.1,58.5 ; -56.975,85.9 0.1,85.9 ; -56.975,113.2 0.1,113.2 ; -56.975,140.2 0.125,140.2 ; -56.975,167.1 0.125,167.1
  text "5V_D" at -2.675,160.7 h0.7
  text "GD_D" at -2.675,158 h0.7
  text "G" at -56.075,157.8 h0.7
  text "IN-" at -2.675,155.4 h0.7
  text "S" at -56.075,155.2 h0.7
  text "IN+" at -2.675,153.1 h0.7
  text "D" at -56.075,152.1 h0.7
  text "-" at -40.975,148.6 h0.7
  text "-" at -34.175,148.6 h0.7
  text "-" at -27.375,148.6 h0.7
  text "-" at -20.275,148.6 h0.7
  text "GD_P" at -2.675,148 h0.7
  text "+" at -39.975,146.8 h0.7
  text "+" at -33.275,146.8 h0.7
  text "+" at -26.175,146.8 h0.7
  text "+" at -46.375,146.7 h0.7
  text "5V_P" at -2.575,144.7 h0.7
  text "5V_D" at -2.675,134.1 h0.7
  text "GD_D" at -2.675,131.4 h0.7
  text "G" at -56.075,131.2 h0.7
  text "IN-" at -2.675,128.8 h0.7
  text "S" at -56.075,128.6 h0.7
  text "IN+" at -2.675,126.5 h0.7
  text "D" at -56.075,125.5 h0.7
  text "-" at -40.975,122 h0.7
  text "-" at -34.175,122 h0.7
  text "-" at -27.375,122 h0.7
  text "-" at -20.275,122 h0.7
  text "GD_P" at -2.675,121.4 h0.7
  text "+" at -39.975,120.2 h0.7
  text "+" at -33.275,120.2 h0.7
  text "+" at -26.175,120.2 h0.7
  text "+" at -46.375,120.1 h0.7
  text "5V_P" at -2.575,118.1 h0.7
  text "5V_D" at -2.675,106.8 h0.7
  text "GD_D" at -2.675,104.1 h0.7
  text "G" at -56.075,103.9 h0.7
  text "IN-" at -2.675,101.5 h0.7
  text "S" at -56.075,101.3 h0.7
  text "IN+" at -2.675,99.2 h0.7
  text "D" at -56.075,98.2 h0.7
  text "-" at -40.975,94.7 h0.7
  text "-" at -34.175,94.7 h0.7
  text "-" at -27.375,94.7 h0.7
  text "-" at -20.275,94.7 h0.7
  text "GD_P" at -2.675,94.1 h0.7
  text "+" at -39.975,92.9 h0.7
  text "+" at -33.275,92.9 h0.7
  text "+" at -26.175,92.9 h0.7
  text "+" at -46.375,92.8 h0.7
  text "5V_P" at -2.575,90.8 h0.7
  text "5V_D" at -2.675,79.4 h0.7
  text "GD_D" at -2.675,76.7 h0.7
  text "G" at -56.075,76.5 h0.7
  text "IN-" at -2.675,74.1 h0.7
  text "S" at -56.075,73.9 h0.7
  text "IN+" at -2.675,71.8 h0.7
  text "D" at -56.075,70.8 h0.7
  text "-" at -40.975,67.3 h0.7
  text "-" at -34.175,67.3 h0.7
  text "-" at -27.375,67.3 h0.7
  text "-" at -20.275,67.3 h0.7
  text "GD_P" at -2.675,66.7 h0.7
  text "+" at -39.975,65.5 h0.7
  text "+" at -33.275,65.5 h0.7
  text "+" at -26.175,65.5 h0.7
  text "+" at -46.375,65.4 h0.7
  text "5V_P" at -2.575,63.4 h0.7
  text "5V_D" at -2.7,52.1 h0.7
  text "GD_D" at -2.7,49.4 h0.7
  text "G" at -56.1,49.2 h0.7
  text "IN-" at -2.7,46.8 h0.7
  text "S" at -56.1,46.6 h0.7
  text "IN+" at -2.7,44.5 h0.7
  text "D" at -56.1,43.5 h0.7
  text "-" at -41,40 h0.7
  text "-" at -34.2,40 h0.7
  text "-" at -27.4,40 h0.7
  text "-" at -20.3,40 h0.7
  text "GD_P" at -2.7,39.4 h0.7
  text "+" at -40,38.2 h0.7
  text "+" at -33.3,38.2 h0.7
  text "+" at -26.2,38.2 h0.7
  text "+" at -46.4,38.1 h0.7
  text "5V_P" at -2.6,36.1 h0.7
  text "5V_D" at -2.7,25.1 h0.7
  text "GD_D" at -2.7,22.4 h0.7
  text "G" at -56.1,22.2 h0.7
  text "IN-" at -2.7,19.8 h0.7
  text "S" at -56.1,19.6 h0.7
  text "IN+" at -2.7,17.5 h0.7
  text "D" at -56.1,16.5 h0.7
  text "-" at -41,13 h0.7
  text "-" at -34.2,13 h0.7
  text "-" at -27.4,13 h0.7
  text "-" at -20.3,13 h0.7
  text "GD_P" at -2.7,12.4 h0.7
  text "+" at -40,11.2 h0.7
  text "+" at -33.3,11.2 h0.7
  text "+" at -26.2,11.2 h0.7
  text "+" at -46.4,11.1 h0.7
  text "5V_P" at -2.6,9.1 h0.7